# Altium PCB IMX6 DEV BOARD.PcbDoc (part 6 of 12)
Units mm, origin at the board's own origin, x right, y up, seen from the top; angles counter-clockwise.
Board outline 72.05 x 100.23 mm, 8 copper layers (Top Layer, GND 1, Inner 2, PWR 1, PWR 2, Inner 5, GND2, Bottom Layer), stack 1.463 mm thick; 691 components, 568 nets, 3028 pads, 1624 vias.
Unrouted connection lines stored in the file: 1.
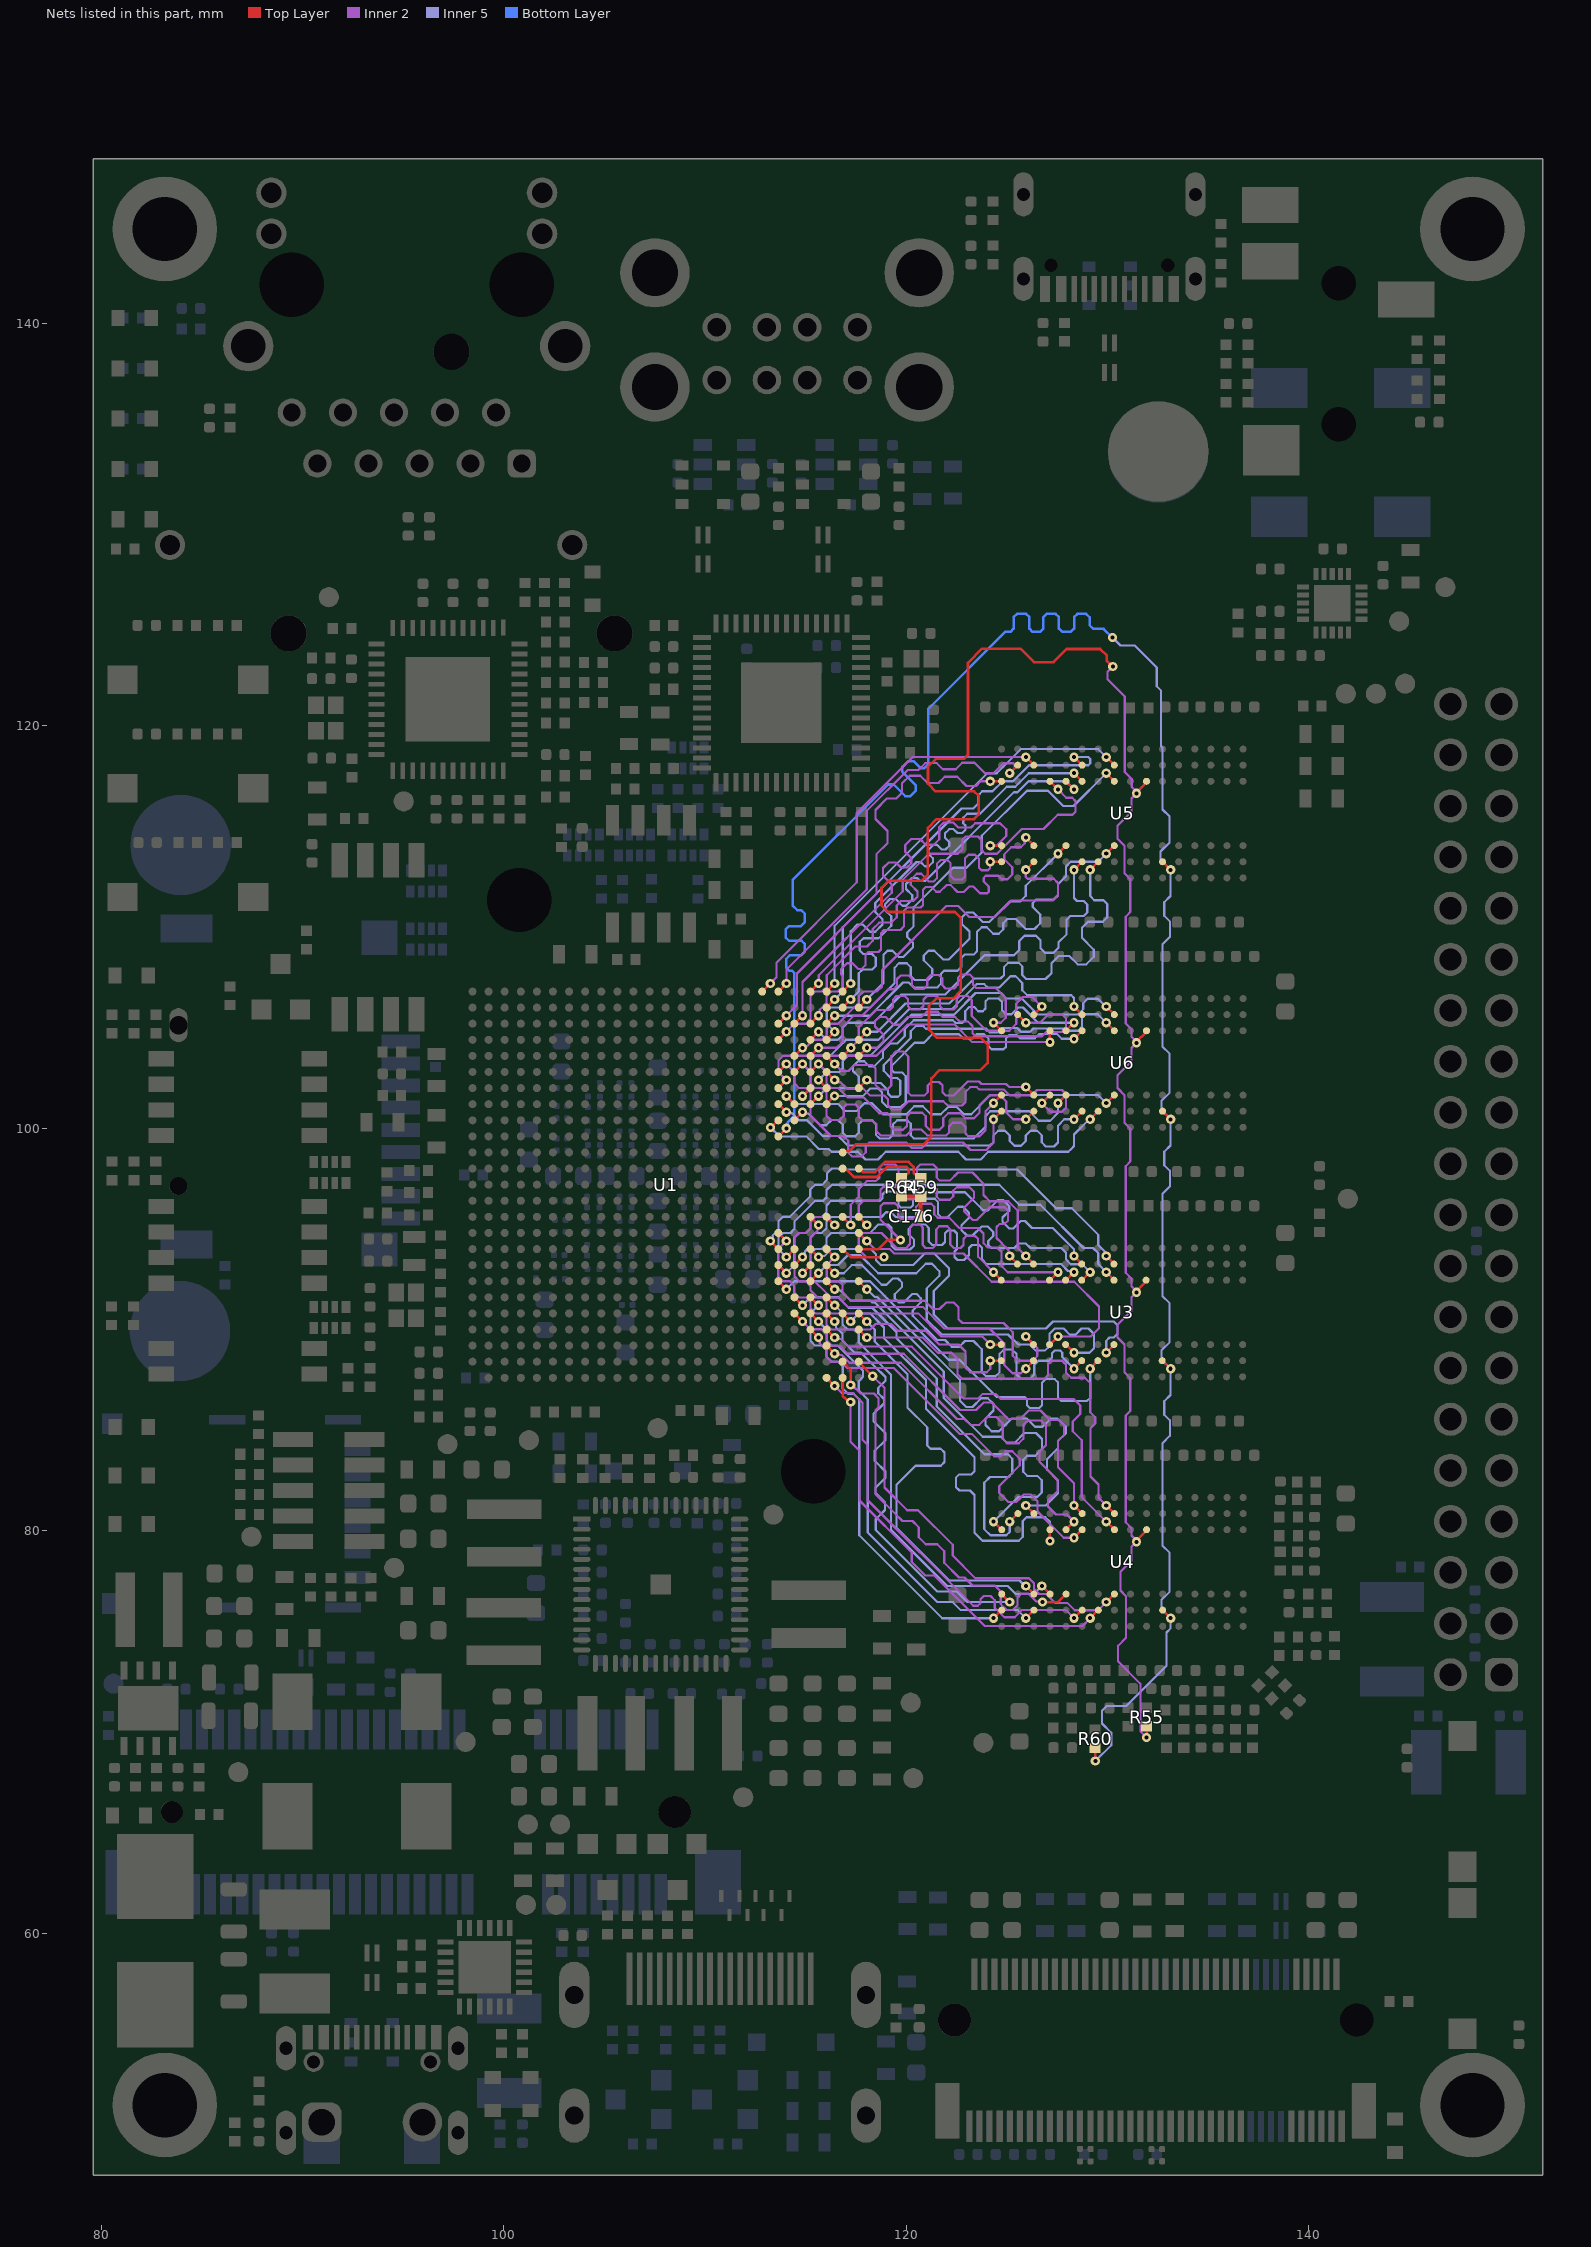
[diagram p12: the nets of this part, all layers, seen from the top]

## Via types
v1: diameter 0.46, hole 0.2, Top Layer to Bottom Layer, tented both sides, 1586 vias
v2: diameter 0.7, hole 0.4, Top Layer to Bottom Layer, 32 vias
v3: diameter 0.46, hole 0.2, Top Layer to Bottom Layer, tented bottom, 6 vias

## Nets (pads, with @x,y where several pads share a name; then routed paths per layer and width w, separated by ;. In a path a pad name is that pad's centre, name@x,y a point inside that pad or via, vN(x,y) a via of type N, cw(c..) or ccw(c..) an arc to the next point about the centre after c; other vN are vias at no path point) (continued)
DRAM_CLK0_P: R55.1 U1.AD15 U3.K7 U4.K7 U5.K7 U6.K7 | length 116
  Top Layer w0.13: U1.AD15@116.844,98.8 116.896,98.852 117.151,98.852 117.499,99.2 118.171,99.2 120.852,99.2 121.254,99.603 121.254,102.478 121.666,102.89 123.691,102.89 124.05,103.249 124.05,104.175 123.725,104.5 121.536,104.5 121.135,104.901 121.135,106.099 121.501,106.465 122.351,106.465 122.705,106.82 122.705,110.468 122.423,110.75 119.104,110.75 118.773,111.082 118.773,111.954 119.134,112.315 120.787,112.315 121.08,112.608 121.08,114.93 121.515,115.365 123.372,115.365 123.6,115.593 123.6,116.533 123.383,116.75 121.468,116.75 121.085,117.133 121.085,117.974 121.476,118.365 122.865,118.365 123.075,118.575 123.075,123.137 123.78,123.842 125.672,123.842 126.341,123.173 127.323,123.173 127.975,123.825 129.643,123.825 129.976,123.491 129.976,123.227 130.254,122.95 v1(130.269,122.95) ; v1@131.451,79.467 131.451,79.501 131.95,79.999 U4.K7@131.95,80.05 ; v1(131.451,91.85) 131.451,91.913 131.925,92.387 U3.K7@131.925,92.45 ; v1(131.451,104.25) 131.451,104.304 131.944,104.796 U6.K7@131.944,104.85 ; v1(131.451,116.65) 131.451,116.704 131.944,117.196 U5.K7@131.944,117.25 ; v1(131.95,69.725) R55.1@131.95,70.275
  Inner 2 w0.11: v1(130.269,122.95) 130.011,122.693 130.011,122.317 130.86,121.468 130.86,117.713 131.21,117.363 131.21,116.967 131.451,116.726 v1(131.451,116.65) 131.199,116.398 131.199,115.736 130.5,115.037 130.5,114.4 130.85,114.05 130.85,112.675 131.141,112.384 131.141,110.752 130.91,110.522 130.91,105.215 131.199,104.926 131.199,104.556 131.451,104.304 v1(131.451,104.25) 131.199,103.998 131.199,103.336 130.5,102.637 130.5,102 130.85,101.65 130.85,100.275 131.141,99.984 131.141,98.352 130.91,98.122 130.91,92.815 131.199,92.526 131.199,92.156 131.451,91.904 v1(131.451,91.85) 131.199,91.598 131.199,90.936 130.5,90.237 130.5,89.6 130.85,89.25 130.85,87.875 131.141,87.584 131.141,85.952 130.91,85.722 130.91,80.415 131.199,80.126 131.199,79.756 131.451,79.504 v1(131.451,79.45) 131.201,79.2 131.201,78.513 130.648,77.96 130.648,77.023 130.925,76.746 130.925,74.676 130.535,74.286 130.535,73.5 131.641,72.394 131.641,70.034 v1(131.95,69.725)
DRAM_CLK1_CAP: C176.1 R59.2 R64.2 | length 1.9
  Top Layer w0.2: R64.2@119.769,96.606 119.772,96.603 120.722,96.603 R59.2@120.725,96.6 120.716,96.591 120.716,95.634 C176.1@120.707,95.625
DRAM_CLK1_N: R59.1 U1.AE14 | length 3.9
  Top Layer w0.13: U1.AE14@117.644,98 117.678,98 117.855,97.823 118.448,97.823 118.955,98.33 120.114,98.33 120.368,98.076 120.368,97.79 120.444,97.714 120.536,97.714 R59.1@120.725,97.525
DRAM_CLK1_P: R64.1 U1.AD14 | length 4.4
  Top Layer w0.13: U1.AD14@116.844,98 116.896,97.948 117.044,97.948 117.409,97.583 118.547,97.583 119.054,98.09 120.015,98.09 120.128,97.977 120.128,97.796 120.052,97.72 119.958,97.72 R64.1@119.769,97.531
DRAM_CS0_B: R60.1 U1.Y16 U3.L2 U4.L2 U5.L2 U6.L2 | length 111.1
  Top Layer w0.125: U1.Y16@113.644,99.6 v1(114.044,100) ; R60.1@129.394,69.2 129.4,69.194 v1(129.4,68.55) ; U4.L2@132.744,76.05 v1(133.144,75.65) ; U3.L2@132.744,88.45 v1(133.144,88.05) ; U6.L2@132.744,100.85 v1(133.144,100.45) ; U5.L2@132.744,113.25 v1(133.144,112.85)
  Inner 5 w0.11: v1(129.4,68.55) 130.188,69.338 130.188,69.956 129.731,70.413 129.731,71.057 129.963,71.288 130.944,71.288 132.938,73.283 132.938,74.944 133.144,75.15 v1(133.144,75.65) 132.694,76.099 132.694,76.567 133.094,76.966 133.094,78.9 132.744,79.25 132.744,84.35 133.107,84.713 133.107,85.487 132.826,85.768 132.826,86.437 133.139,86.75 133.139,88.045 v1(133.144,88.05) 132.694,88.499 132.694,88.967 133.094,89.366 133.094,91.3 132.744,91.65 132.744,96.75 133.107,97.113 133.107,97.887 132.826,98.168 132.826,98.837 133.139,99.15 133.139,100.445 v1(133.144,100.45) 132.694,100.899 132.694,101.367 133.094,101.766 133.094,103.7 132.744,104.05 132.744,109.15 133.107,109.513 133.107,110.287 132.826,110.568 132.826,111.237 133.139,111.55 133.139,112.845 v1(133.144,112.85) 132.644,113.35 132.644,113.758 133.087,114.202 133.087,115.507 132.744,115.85 132.744,118.901 132.671,118.974 132.671,121.748 132.452,121.967 132.452,122.904 131.358,123.998 130.656,123.998 v1(130.256,124.398)
  Bottom Layer w0.125: v1(114.044,100) 114.101,100.057 114.101,100.233 114.106,100.238 114.106,100.296 114.444,100.634 114.444,107.718 114.337,107.825 114.203,107.825 114.041,107.987 114.041,108.43 114.207,108.596 114.777,108.596 114.966,108.786 114.966,109.164 114.806,109.325 114.176,109.325 114.009,109.493 114.009,109.885 114.174,110.05 114.771,110.05 114.966,110.246 114.966,110.664 114.781,110.85 114.584,110.85 114.358,111.076 114.358,112.339 119.109,117.09 119.381,117.09 119.955,116.516 120.206,116.516 120.479,116.788 120.479,117.05 119.807,117.721 119.807,117.963 120.101,118.257 120.362,118.257 120.71,117.909 120.905,117.909 121.1,118.104 121.1,120.856 124.919,124.675 125.176,124.675 125.344,124.843 125.344,125.408 125.511,125.575 125.957,125.575 126.119,125.413 126.119,124.836 126.28,124.675 126.652,124.675 126.819,124.842 126.819,125.413 126.981,125.575 127.425,125.575 127.594,125.406 127.594,124.844 127.765,124.673 128.178,124.673 128.344,124.839 128.344,125.408 128.511,125.575 128.946,125.575 129.119,125.402 129.119,125.007 129.301,124.825 129.816,124.825 v1@130.244,124.398
DRAM_D0: U1.AD2 U4.E3 | length 21.5
  Top Layer w0.125: U1.AD2@116.844,88.4 117.244,88 v1(117.244,87.245) ; v1(126.775,76.45) 127.544,76.45 U4.E3@127.944,76.85
  Inner 2 w0.11: v1(117.244,87.245) 117.306,87.245 117.736,86.815 118.396,86.815 118.625,86.586 118.625,86.125 118.475,85.975 118.475,81.825 119.438,80.863 119.822,80.478 120.312,80.478 120.625,80.165 120.625,79.675 120.975,79.325 121.55,79.325 121.897,78.978 121.897,78.403 122.625,77.675 122.9,77.675 123.3,77.275 124.4,77.275 124.7,76.975 124.7,76.349 124.984,76.065 125.303,76.065 125.529,76.291 125.529,76.679 125.715,76.865 126.073,76.865 126.462,76.476 126.749,76.476 v1(126.775,76.45)
DRAM_D1: U1.AE2 U4.H3 | length 21.5
  Top Layer w0.125: U1.AE2@117.644,88.4 117.644,88.384 118.332,87.696 v1(118.332,87.68) ; v1(129.944,76.45) U4.H3@130.344,76.85
  Inner 2 w0.11: v1(118.332,87.68) 118.345,87.68 118.925,87.1 118.925,82.15 120.054,81.021 120.587,81.021 122.311,79.297 122.311,78.764 123.44,77.635 126.103,77.635 126.351,77.387 126.351,77.098 126.599,76.85 126.975,76.85 127.425,76.4 128.025,76.4 128.375,76.05 129.544,76.05 v1(129.944,76.45)
DRAM_D2: U1.AC4 U4.H7 | length 21.5
  Top Layer w0.125: U1.AC4@116.044,90 v1(116.444,89.6) ; v1(129.944,80.45) U4.H7@130.344,80.05
  Inner 2 w0.11: v1(116.444,89.6) 116.511,89.533 116.766,89.533 117.149,89.15 117.25,89.15 120.275,89.15 122.86,86.565 123.565,86.565 123.8,86.8 124.45,86.8 124.7,86.55 128.325,86.55 128.65,86.225 128.65,85.8 128.283,85.433 128.283,84.942 128.725,84.5 128.725,81.669 v1(129.944,80.45)
DRAM_D3: U1.AA5 U4.F8 | length 21.5
  Top Layer w0.125: U1.AA5@114.444,90.8 v1(114.844,90.4) ; v1(128.344,81.25) U4.F8@128.744,80.85
  Inner 2 w0.11: v1(114.844,90.4) 115.229,90.015 115.773,90.015 116.059,89.729 116.059,89.441 116.314,89.185 116.715,89.185 117.1,88.8 119.875,88.8 122.675,86 123.475,86 123.85,86.375 124.25,86.375 125.076,85.549 125.674,85.549 126.096,85.971 126.673,85.971 127.144,85.5 127.587,85.5 127.85,85.237 127.85,84.775 127.55,84.475 127.55,83.154 128.344,82.36 v1(128.344,81.25)
DRAM_D4: U1.AC1 U4.F2 | length 21.5
  Top Layer w0.125: U1.AC1@116.044,87.6 v1(116.444,87.2) ; v1(128.344,75.65) U4.F2@128.744,76.05
  Inner 2 w0.11: v1(116.444,87.2) 116.798,86.846 117.337,86.846 117.825,86.358 117.825,84.524 118.075,84.274 118.075,81.525 123.334,76.266 123.558,76.266 123.7,76.409 123.7,76.6 123.854,76.755 124.193,76.755 124.4,76.547 124.4,76.175 124.88,75.695 125.395,75.695 125.765,76.065 127.929,76.065 v1(128.344,75.65)
DRAM_D5: U1.AD1 U4.G2 | length 21.5
  Top Layer w0.125: U1.AD1@116.844,87.6 116.844,86.7 116.944,86.6 116.951,86.6 117.151,86.4 v1(117.239,86.4) ; v1(129.144,75.65) U4.G2@129.544,76.05
  Inner 2 w0.11: v1(117.239,86.4) 117.239,84.411 117.675,83.975 117.675,81.5 120.275,78.9 120.275,78.449 120.949,77.775 121.4,77.775 123.91,75.265 128.759,75.265 v1(129.144,75.65)
DRAM_D6: U1.AB4 U4.F7 | length 21.5
  Top Layer w0.125: U1.AB4@115.244,90 v1(115.644,89.6) ; v1(128.344,79.65) U4.F7@128.744,80.05
  Inner 2 w0.11: v1(115.644,89.6) 115.704,89.54 115.704,89.321 116.029,88.996 116.029,88.671 116.314,88.385 116.78,88.385 117.075,88.09 119.385,88.09 122.675,84.8 123.277,84.8 124.376,83.701 124.701,83.701 124.95,83.95 125.275,83.95 125.65,83.575 125.65,83.25 124.625,82.225 124.625,81.875 125.075,81.425 125.475,81.425 125.85,81.8 126.196,81.8 126.525,81.471 126.525,80.95 127.825,79.65 v1(128.344,79.65)
DRAM_D7: U1.AE4 U4.H8 | length 21.5
  Top Layer w0.125: U1.AE4@117.644,90 v1(118.044,89.6) ; v1(129.944,81.25) U4.H8@130.344,80.85
  Inner 2 w0.11: v1(118.044,89.6) 120.825,89.6 121.575,88.85 122.25,88.85 122.55,88.55 122.55,87.775 122.775,87.55 126.875,87.55 127.05,87.725 127.05,88.275 127.225,88.45 127.75,88.45 127.944,88.256 127.944,87.856 128.203,87.598 128.88,87.598 129.15,87.328 129.15,85.891 129.4,85.641 129.4,85.329 129.159,85.087 129.159,82.691 129.559,82.291 129.559,81.635 v1(129.944,81.25)
DRAM_D8: U1.AD5 U4.D7 | length 22.6
  Top Layer w0.125: U1.AD5@116.844,90.8 v1(117.244,90.4) ; v1(127.144,79.484) U4.D7@127.144,80.05
  Inner 5 w0.11: v1(117.244,90.4) 117.644,90.8 118.077,90.8 118.08,90.798 118.209,90.798 118.902,90.104 118.902,89.567 120.983,87.486 120.983,86.061 123.394,83.65 123.394,82.95 123.244,82.8 122.644,82.8 122.469,82.625 122.469,82.175 122.651,81.993 123.176,81.993 123.394,81.775 123.394,79.9 123.794,79.5 125.594,79.5 125.794,79.7 125.794,80.478 125.984,80.668 126.912,80.668 127.144,80.436 v1(127.144,79.484)
DRAM_D9: U1.AE5 U4.C3 | length 22.6
  Top Layer w0.125: U1.AE5@117.644,90.8 v1(118.044,90.4) ; v1(125.944,77.25) U4.C3@126.344,76.85
  Inner 5 w0.11: v1(118.044,90.4) 118.441,90.003 118.441,89.403 120.069,87.775 120.069,86.117 121.05,85.136 121.05,84.23 121.206,84.075 121.712,84.075 121.904,83.883 121.904,83.41 121.719,83.225 120.461,83.225 119.521,82.286 119.521,80.146 122.144,77.522 125.633,77.522 125.906,77.25 v1(125.944,77.25)
DRAM_D10: U1.AA6 U4.B8 | length 22.6
  Top Layer w0.125: U1.AA6@114.444,91.6 v1(114.844,91.2) ; v1(125.144,80.45) U4.B8@125.544,80.85
  Inner 5 w0.11: v1(114.844,91.2) 115.244,91.6 116.619,91.6 117.144,91.075 118.191,91.075 118.194,91.073 118.323,91.073 119.519,89.876 119.519,89.567 121.519,87.567 121.519,86.175 123.894,83.8 125.057,83.8 125.274,83.583 125.274,82.859 125.089,82.674 124.17,82.674 123.884,82.387 123.884,80.078 124.187,79.775 124.98,79.775 125.144,79.939 v1(125.144,80.45)
DRAM_D11: U1.AE7 U4.C8 | length 22.6
  Top Layer w0.125: U1.AE7@117.644,92.4 v1(118.044,92) ; v1(125.944,81.25) U4.C8@126.344,80.85
  Inner 5 w0.11: v1(118.044,92) 118.421,91.623 118.55,91.623 122.669,87.504 122.669,86.473 122.99,86.152 123.296,86.152 123.732,86.588 124.056,86.588 124.343,86.301 124.343,85.974 123.94,85.571 123.94,85.254 124.249,84.945 124.614,84.945 125.251,85.582 125.987,85.582 126.407,85.162 126.781,85.162 127.189,85.57 127.524,85.57 127.929,85.165 127.929,84.835 127.539,84.445 127.539,84.093 127.006,83.559 127.006,83.029 127.539,82.495 127.539,81.845 126.944,81.25 v1(125.944,81.25)
DRAM_D12: U1.AB5 U4.C2 | length 22.6
  Top Layer w0.125: U1.AB5@115.244,90.8 v1(115.644,90.4) ; v1(125.944,75.65) U4.C2@126.344,76.05
  Inner 5 w0.11: v1(115.644,90.4) 116.041,90.003 116.041,89.44 116.279,89.203 116.604,89.203 117.856,87.95 117.856,87.645 117.641,87.431 117.641,86.978 118.094,86.525 118.094,79.91 121.554,76.45 122.319,76.45 122.716,76.053 125.541,76.053 v1(125.944,75.65)
DRAM_D13: U1.AC5 U4.A3 | length 22.6
  Top Layer w0.125: U1.AC5@116.044,90.8 v1(116.444,90.4) ; U4.A3@124.756,76.85 124.744,76.85 v1(125.144,76.45)
  Inner 5 w0.11: v1(116.444,90.4) 116.506,90.338 116.506,90.113 116.841,89.778 116.841,89.44 117.434,88.848 117.758,88.848 118.417,88.19 118.969,87.637 118.969,87.453 118.614,87.099 118.614,86.83 118.897,86.547 118.897,86.324 118.369,85.796 118.369,85.45 118.969,84.85 118.969,84.5 118.442,83.973 118.442,83.477 118.971,82.948 118.971,82.636 118.48,82.144 118.48,81.871 118.944,81.407 118.944,81.026 118.488,80.57 118.488,80.034 121.548,76.974 121.916,76.974 121.917,76.972 122.524,76.972 123.046,76.45 v1(125.144,76.45)
DRAM_D14: U1.AB6 U4.A2 | length 22.6
  Top Layer w0.125: U1.AB6@115.244,91.6 v1(115.644,91.2) ; v1(124.344,75.65) U4.A2@124.744,76.05
  Inner 5 w0.11: v1(115.644,91.2) 115.246,90.803 115.246,89.435 115.482,89.2 115.806,89.2 116.043,88.963 116.043,88.639 116.28,88.402 116.604,88.402 116.842,88.164 116.842,87.085 117.118,86.808 117.393,86.808 117.669,86.532 117.669,79.775 121.794,75.65 v1(124.344,75.65)
DRAM_D15: U1.AC7 U4.A7 | length 22.6
  Top Layer w0.125: U1.AC7@116.044,92.4 v1(116.444,92) ; v1(124.344,80.45) U4.A7@124.744,80.05
  Inner 5 w0.11: v1(116.444,92) 116.506,91.938 116.731,91.938 117.244,91.425 118.23,91.425 118.308,91.348 118.436,91.348 121.869,87.915 121.869,86.6 123.799,84.67 124.708,84.67 125.003,84.375 125.394,84.375 125.874,84.855 126.448,84.855 126.749,84.554 126.749,84.059 126.414,83.725 126.019,83.725 125.819,83.525 125.819,82.925 126.019,82.725 126.519,82.725 126.741,82.503 126.741,81.898 126.519,81.675 125.569,81.675 v1(124.344,80.45)
DRAM_D16: U1.AB7 U3.E3 | length 22.8
  Top Layer w0.125: U1.AB7@115.244,92.4 v1(115.644,92.8) ; U3.E3@127.944,89.25 v1(128.344,88.85)
  Inner 5 w0.11: v1(115.644,92.8) 116.046,93.203 116.609,93.203 117.106,93.7 117.705,93.7 118.605,92.8 120.5,92.8 120.969,93.269 121.281,93.269 121.65,92.9 121.65,92.675 121.019,92.044 121.019,90.487 121.756,89.75 125.065,89.75 125.565,89.25 126.144,89.25 126.444,88.95 126.894,88.95 127.119,89.175 127.119,89.787 127.379,90.048 127.829,90.048 128.135,89.741 128.412,89.741 128.718,90.048 129.065,90.048 129.332,89.781 129.332,89.075 129.107,88.85 v1(128.344,88.85)
DRAM_D17: U1.AA8 U3.F7 | length 22.5
  Top Layer w0.125: U1.AA8@114.444,93.2 v1(114.844,93.6) ; U3.F7@128.744,92.45 v1(129.144,92.85)
  Inner 5 w0.11: v1@114.921,93.652 114.906,93.667 114.906,93.75 114.969,93.813 114.969,93.876 115.246,94.153 115.246,94.564 115.484,94.803 115.809,94.803 116.044,95.038 116.044,95.362 116.279,95.598 118.773,95.598 119,95.825 119.25,95.825 119.478,95.598 120.591,95.598 120.732,95.738 120.732,96.358 120.868,96.494 121.422,96.494 121.587,96.329 121.587,95.734 121.769,95.551 122.02,95.551 122.569,96.1 122.819,96.1 123.119,95.8 123.119,95.55 122.744,95.175 122.744,94.95 123.019,94.675 123.3,94.675 123.75,95.125 124.05,95.125 124.325,94.85 124.325,94.65 124.075,94.4 124.075,94.198 124.225,94.048 125.373,94.048 125.602,94.277 125.948,94.277 126.177,94.048 127.709,94.048 127.946,93.81 127.946,93.485 128.184,93.247 128.746,93.247 v1(129.144,92.85)
DRAM_D18: U1.AB9 U3.H3 | length 22.8
  Top Layer w0.125: U1.AB9@115.244,94 v1(115.644,93.6) ; v1(129.944,88.85) U3.H3@130.344,89.25
  Inner 5 w0.11: v1(115.644,93.6) 115.692,93.648 115.93,93.648 116.279,93.998 118.234,93.998 118.496,93.735 118.496,93.438 118.729,93.205 120.349,93.205 120.919,93.775 121.4,93.775 122.125,93.05 122.125,92.675 121.369,91.919 121.369,90.75 122.071,90.048 126.948,90.048 127.297,90.398 130.31,90.398 130.499,90.208 130.499,89.777 130.322,89.6 130.109,89.6 129.944,89.435 v1(129.944,88.85)
DRAM_D19: U1.Y9 U3.H8 | length 22.8
  Top Layer w0.125: v1(113.244,94.4) U1.Y9@113.644,94 ; v1(129.944,93.65) 130.344,93.25 v1(129.944,93.65)
  Inner 5 w0.11: v1(113.244,94.4) 113.244,94.488 113.371,94.615 113.371,94.679 113.646,94.954 113.646,95.365 113.882,95.6 114.214,95.6 115.236,96.622 115.236,96.962 115.474,97.2 115.822,97.2 116.066,97.444 116.066,97.767 116.248,97.95 116.266,97.95 116.315,97.998 116.634,97.998 116.682,97.95 125.519,97.95 127.444,96.025 128.225,96.025 129.546,94.704 129.546,94.199 129.944,93.801 v1(129.944,93.65)
DRAM_D20: U1.Y7 U3.G2 | length 22.8
  Top Layer w0.125: U1.Y7@113.644,92.4 v1(114.044,92) ; v1(129.144,88.05) U3.G2@129.544,88.45
  Inner 5 w0.11: v1(114.044,92) 114.446,92.402 118.204,92.402 122.106,88.5 122.651,88.5 124.501,86.65 125.88,86.65 126.006,86.524 126.006,86.236 126.14,86.102 126.609,86.102 126.746,86.24 126.746,87.359 126.922,87.535 127.385,87.535 127.546,87.373 127.546,86.614 127.717,86.444 128.982,86.444 129.15,86.612 129.15,88.044 v1(129.144,88.05)
DRAM_D21: U1.Y8 U3.F8 | length 22.8
  Top Layer w0.125: U1.Y8@113.644,93.2 v1(114.044,92.8) ; v1(128.344,93.65) U3.F8@128.744,93.25
  Inner 5 w0.11: v1(114.044,92.8) 114.441,93.198 114.441,94.56 114.679,94.798 115.004,94.798 115.244,95.038 115.244,95.362 115.48,95.598 115.805,95.598 116.041,95.835 116.041,96.165 116.277,96.4 118.704,96.4 118.825,96.521 118.825,96.716 118.966,96.857 119.437,96.857 119.619,96.675 119.619,96.175 119.724,96.07 120.239,96.07 120.344,96.175 120.344,96.675 120.494,96.825 122.925,96.825 123.825,95.925 124.05,95.925 124.553,96.428 124.833,96.428 125.126,96.136 125.126,95.901 124.788,95.563 124.788,95.351 125.119,95.02 125.32,95.02 125.696,95.396 125.904,95.396 126.25,95.05 127.281,95.05 128.344,93.987 v1(128.344,93.65)
DRAM_D22: U1.AC8 U3.F2 | length 22.8
  Top Layer w0.125: U1.AC8@116.044,93.2 v1(116.444,92.8) ; v1(128.344,88.05) U3.F2@128.744,88.45
  Inner 5 w0.11: v1(116.444,92.8) 116.894,92.8 117.294,93.2 117.808,93.2 118.785,92.223 119.023,92.223 119.335,92.535 119.592,92.535 119.798,92.33 119.798,92.123 119.428,91.753 119.428,91.546 119.619,91.354 119.89,91.354 120.302,91.766 120.519,91.766 120.725,91.561 120.725,91.35 120.325,90.95 120.325,90.683 121.533,89.475 121.93,89.475 122.259,89.146 122.644,89.146 122.923,89.425 123.35,89.425 123.751,89.024 123.751,87.892 123.969,87.675 124.444,87.675 124.644,87.875 124.644,88.8 124.844,89 125.272,89 125.481,88.79 125.481,87.766 125.688,87.56 126.168,87.56 126.369,87.76 126.369,88.241 126.575,88.447 127.097,88.447 127.25,88.6 127.25,88.825 127.384,88.959 127.641,88.959 127.759,88.841 127.759,88.635 v1(128.344,88.05)
DRAM_D23: U1.AA9 U3.H7 | length 22.8
  Top Layer w0.125: v1(114.044,93.6) U1.AA9@114.444,94 ; v1(129.944,92.85) 130.344,92.45 v1(129.944,92.85)
  Inner 5 w0.11: v1(114.044,93.6) 113.646,93.998 113.646,94.565 113.883,94.801 114.25,94.801 114.443,94.995 114.443,95.362 115.479,96.397 115.877,96.397 116.044,96.564 116.044,96.935 116.309,97.2 124.625,97.2 125.625,96.2 126.669,96.2 128.816,94.053 129.289,94.053 129.541,93.8 129.541,93.253 v1(129.944,92.85)
DRAM_D24: U1.AE9 U3.D7 | length 17.3
  Top Layer w0.125: U1.AE9@117.644,94 118.619,94 119.071,94.453 v1(119.719,94.453) ; U3.D7@127.144,92.45 v1(127.544,92.85)
  Inner 2 w0.11: v1(119.719,94.453) 118.719,95.453 118.719,96.125 118.869,96.275 119.444,96.275 119.594,96.125 119.594,95.65 119.744,95.5 120.344,95.5 120.494,95.65 120.494,96.1 120.644,96.25 121.244,96.25 121.394,96.1 121.394,95.725 121.569,95.55 122.144,95.55 122.644,95.05 123.569,95.05 123.844,94.775 123.844,94.614 123.85,94.608 123.85,94.293 124.068,94.075 124.519,94.075 124.744,93.85 124.744,93.15 125.044,92.85 v1@127.533,92.85
DRAM_D25: U1.Y10 U3.A2 | length 17.3
  Top Layer w0.125: U1.Y10@113.644,94.8 v1(114.044,94.4) ; v1(124.178,88.45) U3.A2@124.744,88.45